# KiCad board EKO_Miner_BM1366-13xx_16-01A.kicad_pcb
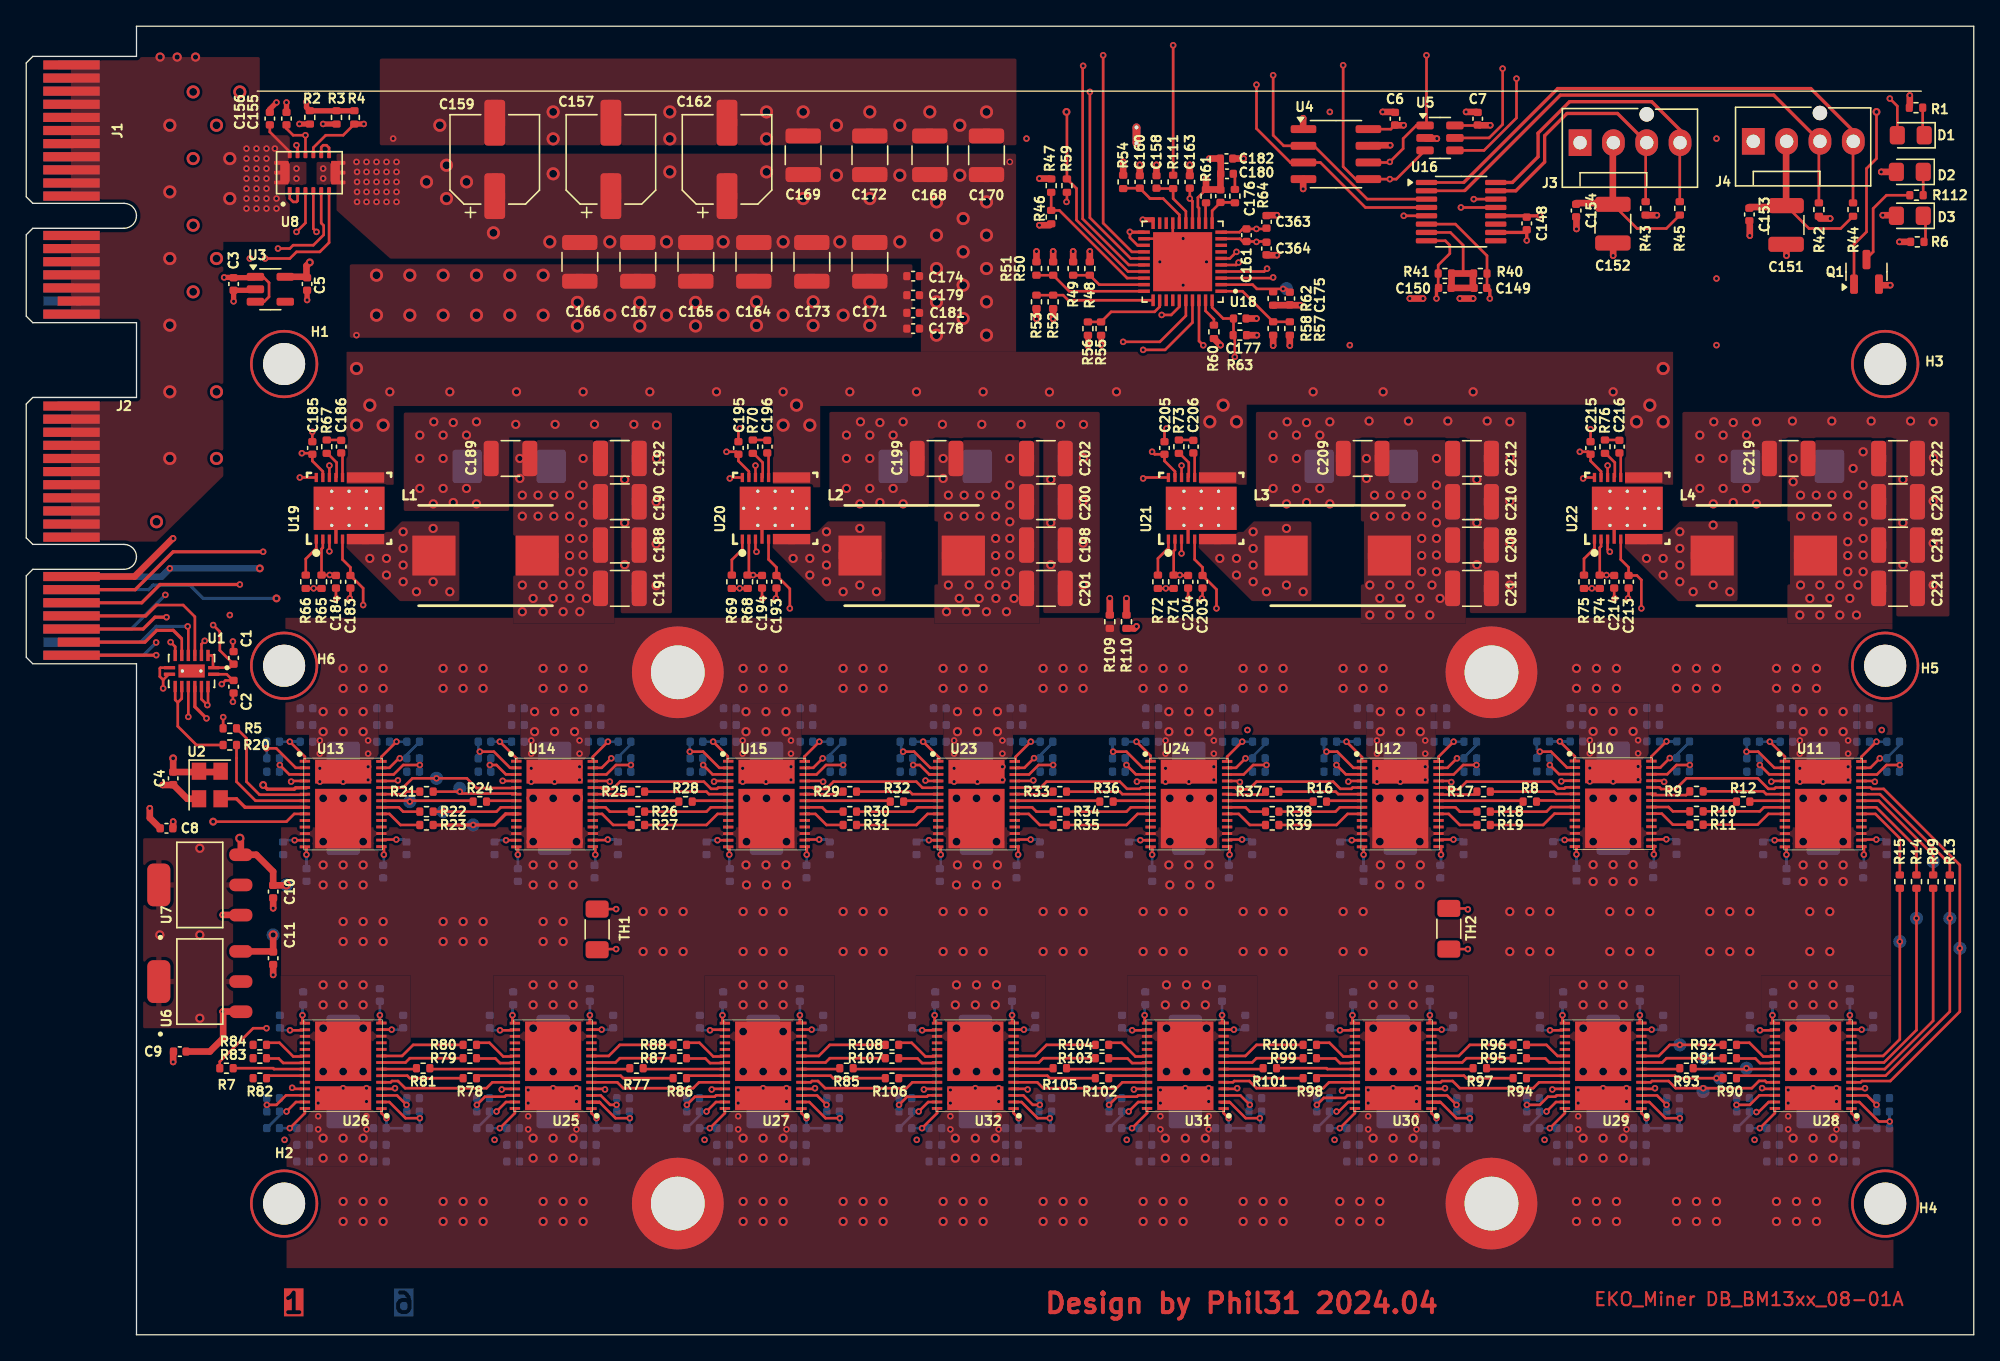
[diagram p0: board, top side]
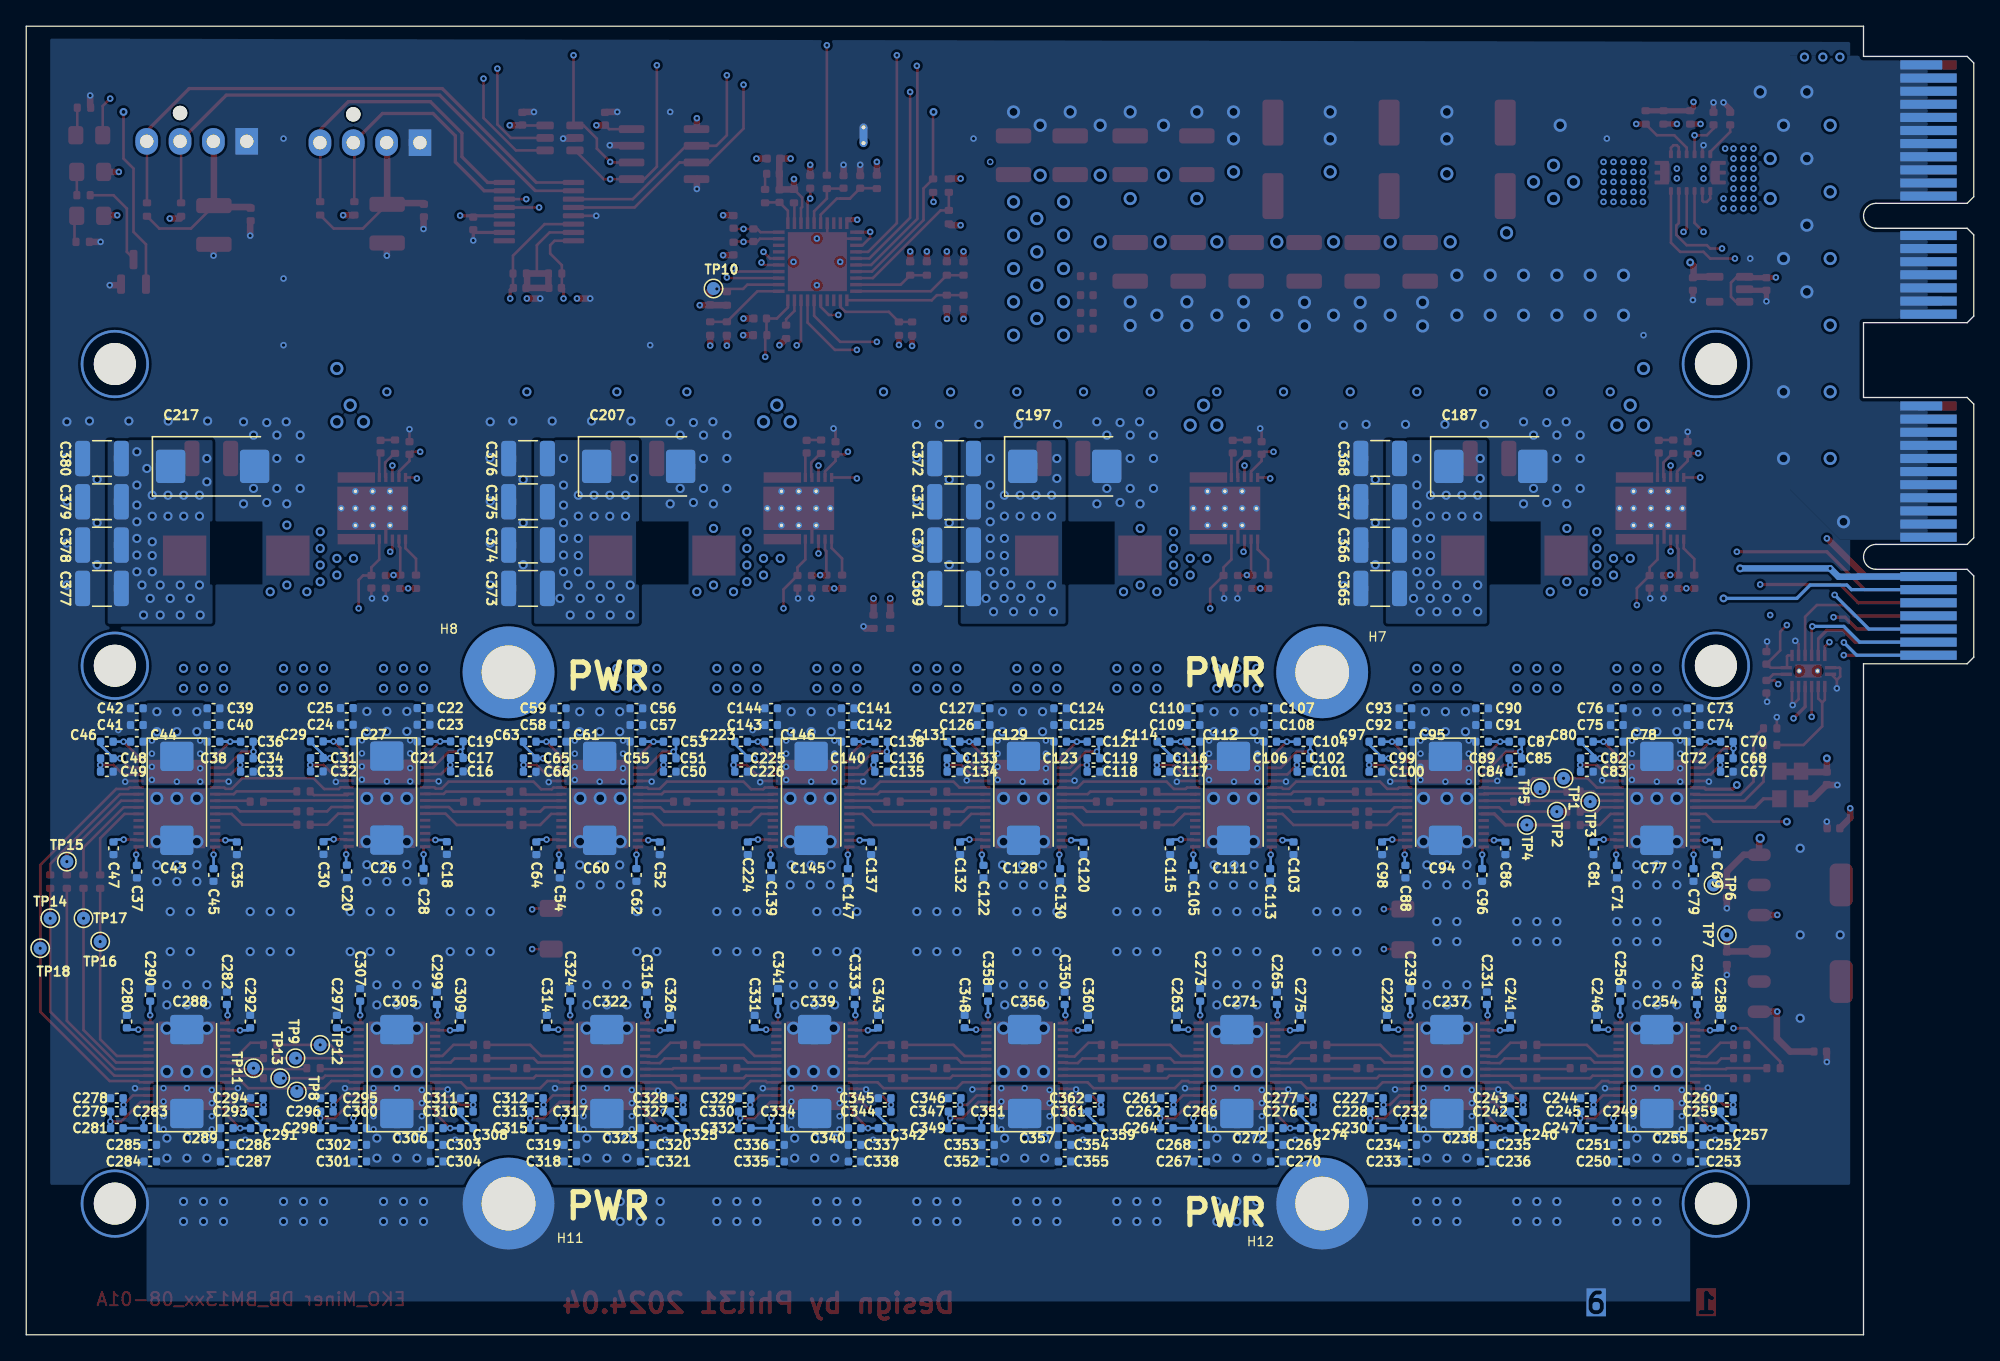
[diagram p1: board, bottom side, seen from below]

Outline 148.4 x 99.75 mm; copper layers: Top, In1.Cu, In2.Cu, In3.Cu, In4.Cu, Bottom. Coordinates in mm from the lower left corner of the outline.
Outline path: 8.4,97.45 8.4,99.75 148.4,99.75 148.4,0 8.4,0 8.4,51.15 ; 8.4,77.15 8.4,71.45
Stack: Top 0.035mm / dielectric 0.1mm FR4 er 4.5 / In1.Cu 0.035mm / dielectric 0.535mm FR4 er 4.5 / In2.Cu 0.035mm / dielectric 0.1mm FR4 er 4.5 / In3.Cu 0.035mm / dielectric 0.535mm FR4 er 4.5 / In4.Cu 0.035mm / dielectric 0.1mm FR4 er 4.5 / Bottom 0.035mm

## Placement (name value [footprint] x y rotation side)
C1  100nF  [C_0402_1005Metric]  15.8 51.6 90 top
C2  100nF  [C_0402_1005Metric]  15.8 49.4 270 top
C3  1uF  [C_0402_1005Metric]  15.8 80.1 270 top
C4  100nF  [C_0402_1005Metric]  11.19 42.42 270 top
C5  1uF  [C_0402_1005Metric]  21.4 80.1 270 top
C6  100nF  [C_0402_1005Metric]  104.3 92.7 90 top
C7  100nF  [C_0402_1005Metric]  110.6 92.7 90 top  (not fitted)
C8  1uF  [C_0402_1005Metric]  10.69 38.61 0 top
C9  1uF  [C_0402_1005Metric]  11.7 21.59 180 top
C10  1uF  [C_0402_1005Metric]  18.81 33.78 270 top
C11  1uF  [C_0402_1005Metric]  18.81 28.7 270 top
C16  1uF  [C_0402_1005Metric]  115.59 42.95 0 bottom
C17  1uF  [C_0402_1005Metric]  115.59 43.96 180 bottom
C18  1uF  [C_0402_1005Metric]  116.35 37.1 270 bottom
C19  1uF  [C_0402_1005Metric]  115.59 45.23 0 bottom
C20  1uF  [C_0402_1005Metric]  123.97 35.33 270 bottom
C21  1uF  [C_0402_1005Metric]  118.13 45.23 0 bottom
C22  100nF  [C_0402_1005Metric]  118.13 47.77 180 bottom
C23  100nF  [C_0402_1005Metric]  118.13 46.5 180 bottom
C24  1uF  [C_0402_1005Metric]  123.97 46.5 0 bottom
C25  1uF  [C_0402_1005Metric]  123.97 47.77 0 bottom
C26  330uF  [CP_EIA-7343-31_Kemet-D_Pad2.25x2.55mm_HandSolder]  120.92 40.91 270 bottom
C27  1uF  [C_0402_1005Metric]  123.97 45.23 0 bottom
C28  1uF  [C_0402_1005Metric]  118.13 35.07 270 bottom
C29  1uF  [C_0402_1005Metric]  126.26 45.23 0 bottom
C30  1uF  [C_0402_1005Metric]  125.75 37.1 270 bottom
C31  1uF  [C_0402_1005Metric]  126.26 43.96 0 bottom
C32  1uF  [C_0402_1005Metric]  126.26 42.95 180 bottom
C33  1uF  [C_0402_1005Metric]  131.59 42.93 0 bottom
C34  1uF  [C_0402_1005Metric]  131.59 43.94 180 bottom
C35  1uF  [C_0402_1005Metric]  132.35 37.08 270 bottom
C36  1uF  [C_0402_1005Metric]  131.59 45.21 0 bottom
C37  1uF  [C_0402_1005Metric]  139.97 35.31 270 bottom
C38  1uF  [C_0402_1005Metric]  134.13 45.21 0 bottom
C39  100nF  [C_0402_1005Metric]  134.13 47.75 180 bottom
C40  100nF  [C_0402_1005Metric]  134.13 46.48 180 bottom
C41  1uF  [C_0402_1005Metric]  139.97 46.48 0 bottom
C42  1uF  [C_0402_1005Metric]  139.97 47.75 0 bottom
C43  330uF  [CP_EIA-7343-31_Kemet-D_Pad2.25x2.55mm_HandSolder]  136.92 40.89 270 bottom
C44  1uF  [C_0402_1005Metric]  139.97 45.21 0 bottom
C45  1uF  [C_0402_1005Metric]  134.13 35.05 270 bottom
C46  1uF  [C_0402_1005Metric]  142.26 45.21 0 bottom
C47  1uF  [C_0402_1005Metric]  141.75 37.08 270 bottom
C48  1uF  [C_0402_1005Metric]  142.26 43.94 0 bottom
C49  1uF  [C_0402_1005Metric]  142.26 42.93 180 bottom
C50  1uF  [C_0402_1005Metric]  99.37 42.93 0 bottom
C51  1uF  [C_0402_1005Metric]  99.37 43.94 180 bottom
C52  1uF  [C_0402_1005Metric]  100.13 37.08 270 bottom
C53  1uF  [C_0402_1005Metric]  99.37 45.21 0 bottom
C54  1uF  [C_0402_1005Metric]  107.75 35.31 270 bottom
C55  1uF  [C_0402_1005Metric]  101.91 45.21 0 bottom
C56  100nF  [C_0402_1005Metric]  101.91 47.75 180 bottom
C57  100nF  [C_0402_1005Metric]  101.91 46.48 180 bottom
C58  1uF  [C_0402_1005Metric]  107.75 46.48 0 bottom
C59  1uF  [C_0402_1005Metric]  107.75 47.75 0 bottom
C60  330uF  [CP_EIA-7343-31_Kemet-D_Pad2.25x2.55mm_HandSolder]  104.7 40.89 270 bottom
C61  1uF  [C_0402_1005Metric]  107.75 45.21 0 bottom
C62  1uF  [C_0402_1005Metric]  101.91 35.05 270 bottom
C63  1uF  [C_0402_1005Metric]  110.04 45.21 0 bottom
C64  1uF  [C_0402_1005Metric]  109.53 37.08 270 bottom
C65  1uF  [C_0402_1005Metric]  110.04 43.94 0 bottom
C66  1uF  [C_0402_1005Metric]  110.04 42.93 180 bottom
C67  1uF  [C_0402_1005Metric]  18.81 42.93 0 bottom
C68  1uF  [C_0402_1005Metric]  18.81 43.94 180 bottom
C69  1uF  [C_0402_1005Metric]  19.58 37.08 270 bottom
C70  1uF  [C_0402_1005Metric]  18.81 45.21 0 bottom
C71  1uF  [C_0402_1005Metric]  27.2 35.31 270 bottom
C72  1uF  [C_0402_1005Metric]  21.35 45.21 0 bottom
C73  100nF  [C_0402_1005Metric]  21.35 47.75 180 bottom
C74  100nF  [C_0402_1005Metric]  21.35 46.48 180 bottom
C75  1uF  [C_0402_1005Metric]  27.2 46.48 0 bottom
C76  1uF  [C_0402_1005Metric]  27.2 47.75 0 bottom
C77  330uF  [CP_EIA-7343-31_Kemet-D_Pad2.25x2.55mm_HandSolder]  24.15 40.89 270 bottom
C78  1uF  [C_0402_1005Metric]  27.2 45.21 0 bottom
C79  1uF  [C_0402_1005Metric]  21.35 35.05 270 bottom
C80  1uF  [C_0402_1005Metric]  29.48 45.21 0 bottom
C81  1uF  [C_0402_1005Metric]  28.97 37.08 270 bottom
C82  1uF  [C_0402_1005Metric]  29.48 43.94 0 bottom
C83  1uF  [C_0402_1005Metric]  29.48 42.93 180 bottom
C84  1uF  [C_0402_1005Metric]  34.92 42.93 0 bottom
C85  1uF  [C_0402_1005Metric]  34.92 43.94 180 bottom
C86  1uF  [C_0402_1005Metric]  35.69 37.08 270 bottom
C87  1uF  [C_0402_1005Metric]  34.92 45.21 0 bottom
C88  1uF  [C_0402_1005Metric]  43.31 35.31 270 bottom
C89  1uF  [C_0402_1005Metric]  37.46 45.21 0 bottom
C90  100nF  [C_0402_1005Metric]  37.46 47.75 180 bottom
C91  100nF  [C_0402_1005Metric]  37.46 46.48 180 bottom
C92  1uF  [C_0402_1005Metric]  43.31 46.48 0 bottom
C93  1uF  [C_0402_1005Metric]  43.31 47.75 0 bottom
C94  330uF  [CP_EIA-7343-31_Kemet-D_Pad2.25x2.55mm_HandSolder]  40.26 40.89 270 bottom
C95  1uF  [C_0402_1005Metric]  43.31 45.21 0 bottom
C96  1uF  [C_0402_1005Metric]  37.46 35.05 270 bottom
C97  1uF  [C_0402_1005Metric]  45.59 45.21 0 bottom
C98  1uF  [C_0402_1005Metric]  45.08 37.08 270 bottom
C99  1uF  [C_0402_1005Metric]  45.59 43.94 0 bottom
C100  1uF  [C_0402_1005Metric]  45.59 42.93 180 bottom
C101  1uF  [C_0402_1005Metric]  51.07 42.93 0 bottom
C102  1uF  [C_0402_1005Metric]  51.07 43.94 180 bottom
C103  1uF  [C_0402_1005Metric]  51.83 37.08 270 bottom
C104  1uF  [C_0402_1005Metric]  51.07 45.21 0 bottom
C105  1uF  [C_0402_1005Metric]  59.45 35.31 270 bottom
C106  1uF  [C_0402_1005Metric]  53.61 45.21 0 bottom
C107  100nF  [C_0402_1005Metric]  53.61 47.75 180 bottom
C108  100nF  [C_0402_1005Metric]  53.61 46.48 180 bottom
C109  1uF  [C_0402_1005Metric]  59.45 46.48 0 bottom
C110  1uF  [C_0402_1005Metric]  59.45 47.75 0 bottom
C111  330uF  [CP_EIA-7343-31_Kemet-D_Pad2.25x2.55mm_HandSolder]  56.41 40.89 270 bottom
C112  1uF  [C_0402_1005Metric]  59.45 45.21 0 bottom
C113  1uF  [C_0402_1005Metric]  53.61 35.05 270 bottom
C114  1uF  [C_0402_1005Metric]  61.74 45.21 0 bottom
C115  1uF  [C_0402_1005Metric]  61.23 37.08 270 bottom
C116  1uF  [C_0402_1005Metric]  61.74 43.94 0 bottom
C117  1uF  [C_0402_1005Metric]  61.74 42.93 180 bottom
C118  1uF  [C_0402_1005Metric]  67.07 42.93 0 bottom
C119  1uF  [C_0402_1005Metric]  67.07 43.94 180 bottom
C120  1uF  [C_0402_1005Metric]  67.84 37.08 270 bottom
C121  1uF  [C_0402_1005Metric]  67.07 45.21 0 bottom
C122  1uF  [C_0402_1005Metric]  75.46 35.31 270 bottom
C123  1uF  [C_0402_1005Metric]  69.61 45.21 0 bottom
C124  100nF  [C_0402_1005Metric]  69.61 47.75 180 bottom
C125  100nF  [C_0402_1005Metric]  69.61 46.48 180 bottom
C126  1uF  [C_0402_1005Metric]  75.46 46.48 0 bottom
C127  1uF  [C_0402_1005Metric]  75.46 47.75 0 bottom
C128  330uF  [CP_EIA-7343-31_Kemet-D_Pad2.25x2.55mm_HandSolder]  72.41 40.89 270 bottom
C129  1uF  [C_0402_1005Metric]  75.46 45.21 0 bottom
C130  1uF  [C_0402_1005Metric]  69.61 35.05 270 bottom
C131  1uF  [C_0402_1005Metric]  77.74 45.21 0 bottom
C132  1uF  [C_0402_1005Metric]  77.23 37.08 270 bottom
C133  1uF  [C_0402_1005Metric]  77.74 43.94 0 bottom
C134  1uF  [C_0402_1005Metric]  77.74 42.93 180 bottom
C135  1uF  [C_0402_1005Metric]  83.26 42.93 0 bottom
C136  1uF  [C_0402_1005Metric]  83.26 43.94 180 bottom
C137  1uF  [C_0402_1005Metric]  84.02 37.08 270 bottom
C138  1uF  [C_0402_1005Metric]  83.26 45.21 0 bottom
C139  1uF  [C_0402_1005Metric]  91.64 35.31 270 bottom
C140  1uF  [C_0402_1005Metric]  85.8 45.21 0 bottom
C141  100nF  [C_0402_1005Metric]  85.8 47.75 180 bottom
C142  100nF  [C_0402_1005Metric]  85.8 46.48 180 bottom
C143  1uF  [C_0402_1005Metric]  91.64 46.48 0 bottom
C144  1uF  [C_0402_1005Metric]  91.64 47.75 0 bottom
C145  330uF  [CP_EIA-7343-31_Kemet-D_Pad2.25x2.55mm_HandSolder]  88.59 40.89 270 bottom
C146  1uF  [C_0402_1005Metric]  91.64 45.21 0 bottom
C147  1uF  [C_0402_1005Metric]  85.8 35.05 270 bottom
C148  100nF  [C_0402_1005Metric]  114.34 84.72 270 top
C149  100PF  [C_0402_1005Metric]  110.8 79.8 180 top
C150  100PF  [C_0402_1005Metric]  108.1 79.8 180 top
C151  22uF  [C_1210_3225Metric]  134.1 84.6 270 top
C152  22uF  [C_1210_3225Metric]  120.9 84.7 270 top
C153  100nF  [C_0402_1005Metric]  131.3 85.4 270 top  (not fitted)
C154  100nF  [C_0402_1005Metric]  118.1 85.7 270 top  (not fitted)
C155  100nF  [C_0402_1005Metric]  19.83 92.71 90 top
C156  100nF  [C_0402_1005Metric]  18.56 92.71 90 top
C157  270uF  [CP_Elec_6.3x5.9]  44.55 89.6 90 top
C158  1uF  [C_0402_1005Metric]  86.12 87.88 90 top
C159  270uF  [CP_Elec_6.3x5.9]  35.7 89.6 90 top
C160  1uF  [C_0402_1005Metric]  84.85 87.88 90 top
C161  100pF  [C_0402_1005Metric]  92.98 83.82 90 top
C162  270uF  [CP_Elec_6.3x5.9]  53.4 89.6 90 top
C163  1uF  [C_0402_1005Metric]  88.66 87.88 90 top
C164  47uF  [C_1210_3225Metric]  55.44 81.79 270 top
C165  47uF  [C_1210_3225Metric]  51.02 81.79 270 top
C166  47uF  [C_1210_3225Metric]  42.18 81.79 270 top
C167  47uF  [C_1210_3225Metric]  46.6 81.79 270 top
C168  22uF  [C_1210_3225Metric]  68.85 89.92 90 top
C169  22uF  [C_1210_3225Metric]  59.2 89.92 90 top
C170  22uF  [C_1210_3225Metric]  73.17 89.92 90 top
C171  22uF  [C_1210_3225Metric]  64.28 81.79 270 top
C172  22uF  [C_1210_3225Metric]  64.28 89.92 90 top
C173  22uF  [C_1210_3225Metric]  59.86 81.79 270 top
C174  1uF  [C_0402_1005Metric]  67.58 80.7 180 top
C175  2.2nF  [C_0402_1005Metric]  96.28 78.99 270 top
C176  56pF  [C_0402_1005Metric]  91 86.8 270 top
C177  1nF  [C_0402_1005Metric]  92.47 77.47 0 top
C178  1uF  [C_0402_1005Metric]  67.58 76.7 180 top
C179  100nF  [C_0402_1005Metric]  67.58 79.25 180 top
C180  1nF  [C_0402_1005Metric]  91.5 88.5 0 top
C181  100nF  [C_0402_1005Metric]  67.58 77.9 180 top
C182  330nF  [C_0402_1005Metric]  91.46 89.66 0 top
C183  10uF  [C_0402_1005Metric]  24.7 57.4 270 top
C184  100nF  [C_0402_1005Metric]  23.6 57.4 270 top
C185  1nF  [C_0402_1005Metric]  21.8 67.6 90 top
C186  100nF  [C_0402_1005Metric]  24 67.7 270 top
C187  330uF  [CP_EIA-7343-31_Kemet-D_Pad2.25x2.55mm_HandSolder]  36.8 66.2 180 bottom
C188  100uF  [C_1210_3225Metric]  45.23 60.2 0 top
C189  100uF  [C_1210_3225Metric]  36.9 66.8 180 top
C190  100uF  [C_1210_3225Metric]  45.23 63.5 0 top
C191  100uF  [C_1210_3225Metric]  45.23 56.9 0 top
C192  100uF  [C_1210_3225Metric]  45.23 66.8 0 top
C193  10uF  [C_0402_1005Metric]  57.17 57.4 270 top
C194  100nF  [C_0402_1005Metric]  56.07 57.4 270 top
C195  1nF  [C_0402_1005Metric]  54.27 67.6 90 top
C196  100nF  [C_0402_1005Metric]  56.47 67.7 270 top
C197  330uF  [CP_EIA-7343-31_Kemet-D_Pad2.25x2.55mm_HandSolder]  69.27 66.2 180 bottom
C198  100uF  [C_1210_3225Metric]  77.7 60.2 0 top
C199  100uF  [C_1210_3225Metric]  69.37 66.8 180 top
C200  100uF  [C_1210_3225Metric]  77.7 63.5 0 top
C201  100uF  [C_1210_3225Metric]  77.7 56.9 0 top
C202  100uF  [C_1210_3225Metric]  77.7 66.8 0 top
C203  10uF  [C_0402_1005Metric]  89.63 57.4 270 top
C204  100nF  [C_0402_1005Metric]  88.53 57.4 270 top
C205  1nF  [C_0402_1005Metric]  86.73 67.6 90 top
C206  100nF  [C_0402_1005Metric]  88.93 67.7 270 top
C207  330uF  [CP_EIA-7343-31_Kemet-D_Pad2.25x2.55mm_HandSolder]  101.73 66.2 180 bottom
C208  100uF  [C_1210_3225Metric]  110.16 60.2 0 top
C209  100uF  [C_1210_3225Metric]  101.83 66.8 180 top
C210  100uF  [C_1210_3225Metric]  110.16 63.5 0 top
C211  100uF  [C_1210_3225Metric]  110.16 56.9 0 top
C212  100uF  [C_1210_3225Metric]  110.16 66.8 0 top
C213  10uF  [C_0402_1005Metric]  122.1 57.4 270 top
C214  100nF  [C_0402_1005Metric]  121 57.4 270 top
C215  1nF  [C_0402_1005Metric]  119.2 67.6 90 top
C216  100nF  [C_0402_1005Metric]  121.4 67.7 270 top
C217  330uF  [CP_EIA-7343-31_Kemet-D_Pad2.25x2.55mm_HandSolder]  134.2 66.2 180 bottom
C218  100uF  [C_1210_3225Metric]  142.63 60.2 0 top
C219  100uF  [C_1210_3225Metric]  134.3 66.8 180 top
C220  100uF  [C_1210_3225Metric]  142.63 63.5 0 top
C221  100uF  [C_1210_3225Metric]  142.63 56.9 0 top
C222  100uF  [C_1210_3225Metric]  142.63 66.8 0 top
C223  1uF  [C_0402_1005Metric]  93.93 45.21 0 bottom
C224  1uF  [C_0402_1005Metric]  93.42 37.08 270 bottom
C225  1uF  [C_0402_1005Metric]  93.93 43.94 0 bottom
C226  1uF  [C_0402_1005Metric]  93.93 42.93 180 bottom
C227  1uF  [C_0402_1005Metric]  45.48 18.03 180 bottom
C228  1uF  [C_0402_1005Metric]  45.48 17.02 0 bottom
C229  1uF  [C_0402_1005Metric]  44.72 23.88 90 bottom
C230  1uF  [C_0402_1005Metric]  45.48 15.75 180 bottom
C231  1uF  [C_0402_1005Metric]  37.1 25.65 90 bottom
C232  1uF  [C_0402_1005Metric]  42.94 15.75 180 bottom
C233  100nF  [C_0402_1005Metric]  42.94 13.21 0 bottom
C234  100nF  [C_0402_1005Metric]  42.94 14.48 0 bottom
C235  1uF  [C_0402_1005Metric]  37.1 14.48 180 bottom
C236  1uF  [C_0402_1005Metric]  37.1 13.21 180 bottom
C237  330uF  [CP_EIA-7343-31_Kemet-D_Pad2.25x2.55mm_HandSolder]  40.15 20.07 90 bottom
C238  1uF  [C_0402_1005Metric]  37.1 15.75 180 bottom
C239  1uF  [C_0402_1005Metric]  42.94 25.91 90 bottom
C240  1uF  [C_0402_1005Metric]  34.82 15.75 180 bottom
C241  1uF  [C_0402_1005Metric]  35.32 23.88 90 bottom
C242  1uF  [C_0402_1005Metric]  34.82 17.02 180 bottom
C243  1uF  [C_0402_1005Metric]  34.82 18.03 0 bottom
C244  1uF  [C_0402_1005Metric]  29.48 18.03 180 bottom
C245  1uF  [C_0402_1005Metric]  29.48 17.02 0 bottom
C246  1uF  [C_0402_1005Metric]  28.72 23.88 90 bottom
C247  1uF  [C_0402_1005Metric]  29.48 15.75 180 bottom
C248  1uF  [C_0402_1005Metric]  21.1 25.65 90 bottom
C249  1uF  [C_0402_1005Metric]  26.94 15.75 180 bottom
C250  100nF  [C_0402_1005Metric]  26.94 13.21 0 bottom
C251  100nF  [C_0402_1005Metric]  26.94 14.48 0 bottom
C252  1uF  [C_0402_1005Metric]  21.1 14.48 180 bottom
C253  1uF  [C_0402_1005Metric]  21.1 13.21 180 bottom
C254  330uF  [CP_EIA-7343-31_Kemet-D_Pad2.25x2.55mm_HandSolder]  24.15 20.07 90 bottom
C255  1uF  [C_0402_1005Metric]  21.1 15.75 180 bottom
C256  1uF  [C_0402_1005Metric]  26.94 25.91 90 bottom
C257  1uF  [C_0402_1005Metric]  18.81 15.75 180 bottom
C258  1uF  [C_0402_1005Metric]  19.32 23.88 90 bottom
C259  1uF  [C_0402_1005Metric]  18.81 17.02 180 bottom
C260  1uF  [C_0402_1005Metric]  18.81 18.03 0 bottom
C261  1uF  [C_0402_1005Metric]  61.49 18.03 180 bottom
C262  1uF  [C_0402_1005Metric]  61.49 17.02 0 bottom
C263  1uF  [C_0402_1005Metric]  60.72 23.88 90 bottom
C264  1uF  [C_0402_1005Metric]  61.49 15.75 180 bottom
C265  1uF  [C_0402_1005Metric]  53.1 25.65 90 bottom
C266  1uF  [C_0402_1005Metric]  58.95 15.75 180 bottom
C267  100nF  [C_0402_1005Metric]  58.95 13.21 0 bottom
C268  100nF  [C_0402_1005Metric]  58.95 14.48 0 bottom
C269  1uF  [C_0402_1005Metric]  53.1 14.48 180 bottom
C270  1uF  [C_0402_1005Metric]  53.1 13.21 180 bottom
C271  330uF  [CP_EIA-7343-31_Kemet-D_Pad2.25x2.55mm_HandSolder]  56.15 20.07 90 bottom
C272  1uF  [C_0402_1005Metric]  53.1 15.75 180 bottom
C273  1uF  [C_0402_1005Metric]  58.95 25.91 90 bottom
C274  1uF  [C_0402_1005Metric]  50.82 15.75 180 bottom
C275  1uF  [C_0402_1005Metric]  51.33 23.88 90 bottom
C276  1uF  [C_0402_1005Metric]  50.82 17.02 180 bottom
C277  1uF  [C_0402_1005Metric]  50.82 18.03 0 bottom
C278  1uF  [C_0402_1005Metric]  141.5 18.03 180 bottom
C279  1uF  [C_0402_1005Metric]  141.5 17.02 0 bottom
C280  1uF  [C_0402_1005Metric]  140.73 23.88 90 bottom
C281  1uF  [C_0402_1005Metric]  141.5 15.75 180 bottom
C282  1uF  [C_0402_1005Metric]  133.11 25.65 90 bottom
C283  1uF  [C_0402_1005Metric]  138.96 15.75 180 bottom
C284  100nF  [C_0402_1005Metric]  138.96 13.21 0 bottom
C285  100nF  [C_0402_1005Metric]  138.96 14.48 0 bottom
C286  1uF  [C_0402_1005Metric]  133.11 14.48 180 bottom
C287  1uF  [C_0402_1005Metric]  133.11 13.21 180 bottom
C288  330uF  [CP_EIA-7343-31_Kemet-D_Pad2.25x2.55mm_HandSolder]  136.16 20.07 90 bottom
C289  1uF  [C_0402_1005Metric]  133.11 15.75 180 bottom
C290  1uF  [C_0402_1005Metric]  138.96 25.91 90 bottom
C291  1uF  [C_0402_1005Metric]  130.83 15.75 180 bottom
C292  1uF  [C_0402_1005Metric]  131.34 23.88 90 bottom
C293  1uF  [C_0402_1005Metric]  130.83 17.02 180 bottom
C294  1uF  [C_0402_1005Metric]  130.83 18.03 0 bottom
C295  1uF  [C_0402_1005Metric]  125.49 18.03 180 bottom
C296  1uF  [C_0402_1005Metric]  125.49 17.02 0 bottom
C297  1uF  [C_0402_1005Metric]  124.73 23.88 90 bottom
C298  1uF  [C_0402_1005Metric]  125.49 15.75 180 bottom
C299  1uF  [C_0402_1005Metric]  117.11 25.65 90 bottom
C300  1uF  [C_0402_1005Metric]  122.95 15.75 180 bottom
C301  100nF  [C_0402_1005Metric]  122.95 13.21 0 bottom
C302  100nF  [C_0402_1005Metric]  122.95 14.48 0 bottom
C303  1uF  [C_0402_1005Metric]  117.11 14.48 180 bottom
C304  1uF  [C_0402_1005Metric]  117.11 13.21 180 bottom
C305  330uF  [CP_EIA-7343-31_Kemet-D_Pad2.25x2.55mm_HandSolder]  120.16 20.07 90 bottom
C306  1uF  [C_0402_1005Metric]  117.11 15.75 180 bottom
C307  1uF  [C_0402_1005Metric]  122.95 25.91 90 bottom
C308  1uF  [C_0402_1005Metric]  114.83 15.75 180 bottom
C309  1uF  [C_0402_1005Metric]  115.33 23.88 90 bottom
C310  1uF  [C_0402_1005Metric]  114.83 17.02 180 bottom
C311  1uF  [C_0402_1005Metric]  114.83 18.03 0 bottom
C312  1uF  [C_0402_1005Metric]  109.49 18.03 180 bottom
C313  1uF  [C_0402_1005Metric]  109.49 17.02 0 bottom
C314  1uF  [C_0402_1005Metric]  108.73 23.88 90 bottom
C315  1uF  [C_0402_1005Metric]  109.49 15.75 180 bottom
C316  1uF  [C_0402_1005Metric]  101.11 25.65 90 bottom
C317  1uF  [C_0402_1005Metric]  106.95 15.75 180 bottom
C318  100nF  [C_0402_1005Metric]  106.95 13.21 0 bottom
C319  100nF  [C_0402_1005Metric]  106.95 14.48 0 bottom
C320  1uF  [C_0402_1005Metric]  101.11 14.48 180 bottom
C321  1uF  [C_0402_1005Metric]  101.11 13.21 180 bottom
C322  330uF  [CP_EIA-7343-31_Kemet-D_Pad2.25x2.55mm_HandSolder]  104.16 20.07 90 bottom
C323  1uF  [C_0402_1005Metric]  101.11 15.75 180 bottom
C324  1uF  [C_0402_1005Metric]  106.95 25.91 90 bottom
C325  1uF  [C_0402_1005Metric]  98.82 15.75 180 bottom
C326  1uF  [C_0402_1005Metric]  99.33 23.88 90 bottom
C327  1uF  [C_0402_1005Metric]  98.82 17.02 180 bottom
C328  1uF  [C_0402_1005Metric]  98.82 18.03 0 bottom
C329  1uF  [C_0402_1005Metric]  93.66 18.03 180 bottom
C330  1uF  [C_0402_1005Metric]  93.66 17.02 0 bottom
C331  1uF  [C_0402_1005Metric]  92.89 23.88 90 bottom
C332  1uF  [C_0402_1005Metric]  93.66 15.75 180 bottom
C333  1uF  [C_0402_1005Metric]  85.27 25.65 90 bottom
C334  1uF  [C_0402_1005Metric]  91.12 15.75 180 bottom
C335  100nF  [C_0402_1005Metric]  91.12 13.21 0 bottom
C336  100nF  [C_0402_1005Metric]  91.12 14.48 0 bottom
C337  1uF  [C_0402_1005Metric]  85.27 14.48 180 bottom
C338  1uF  [C_0402_1005Metric]  85.27 13.21 180 bottom
C339  330uF  [CP_EIA-7343-31_Kemet-D_Pad2.25x2.55mm_HandSolder]  88.32 20.07 90 bottom
C340  1uF  [C_0402_1005Metric]  85.27 15.75 180 bottom
C341  1uF  [C_0402_1005Metric]  91.12 25.91 90 bottom
C342  1uF  [C_0402_1005Metric]  82.99 15.75 180 bottom
C343  1uF  [C_0402_1005Metric]  83.5 23.88 90 bottom
C344  1uF  [C_0402_1005Metric]  82.99 17.02 180 bottom
C345  1uF  [C_0402_1005Metric]  82.99 18.03 0 bottom
C346  1uF  [C_0402_1005Metric]  77.65 18.03 180 bottom